# KiCad board LittleSixteen.kicad_pcb (continued)
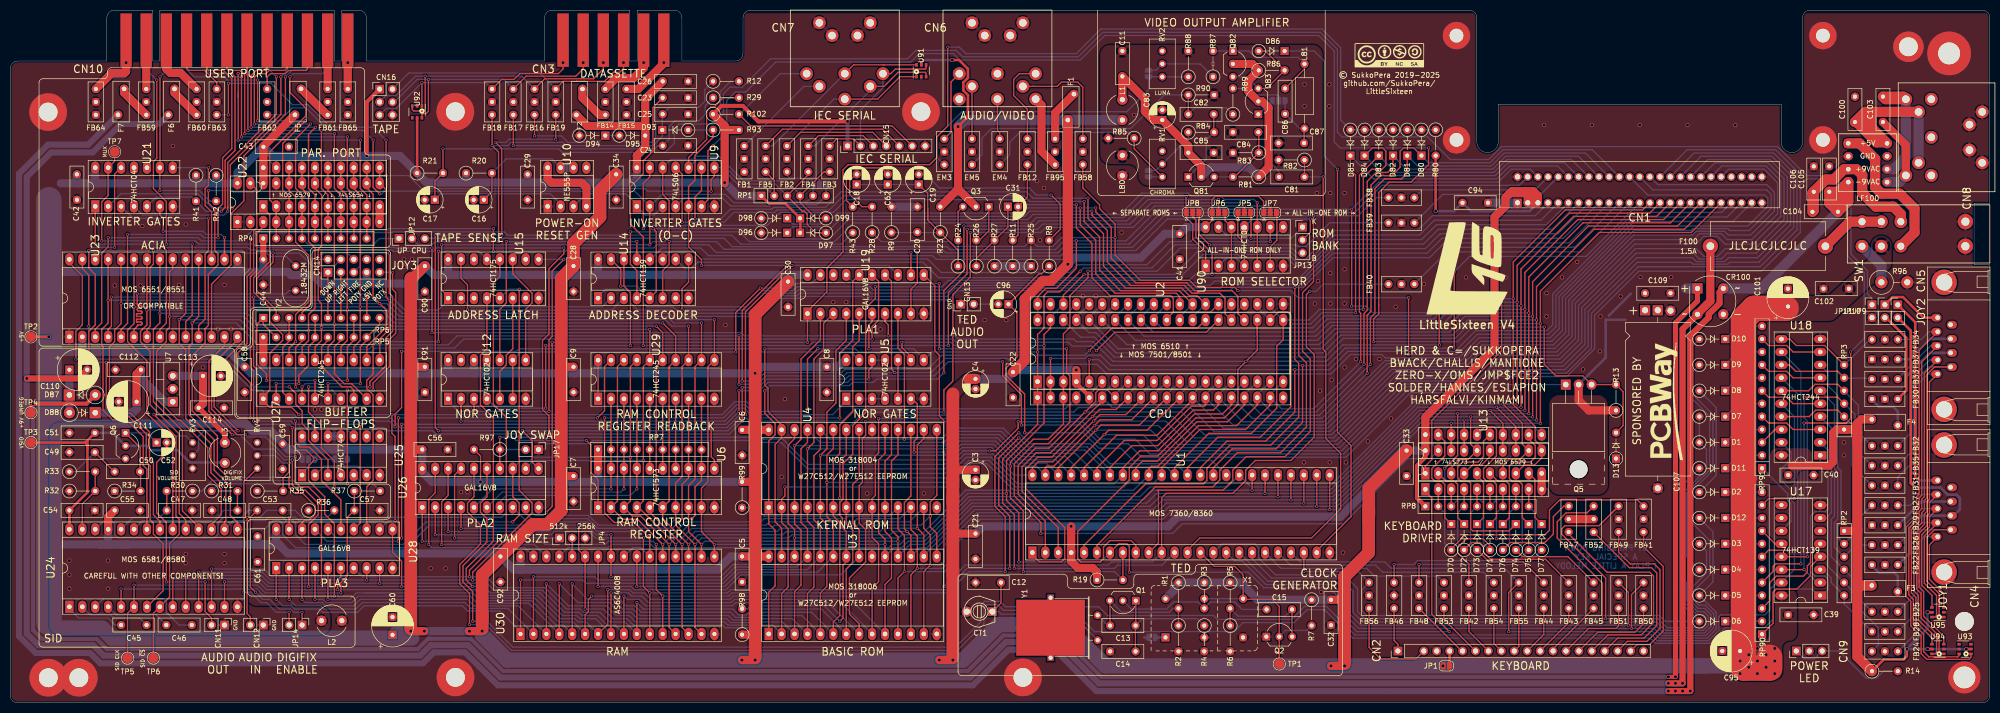
[diagram p0: board, top side]
## Placement (name value [footprint] x y rotation side) (continued)
U6  74HCT573  [DIP-20_W7.62mm_Socket_LongPads]  115.52 38.43 90 top
U7  L7812  [TO-220-3_Vertical]  31.95 59.21 90 top
U9  74LS06  [DIP-14_W7.62mm_Socket_LongPads]  123.14 97.62 90 top
U10  NE555P  [DIP-8_W7.62mm_Socket_LongPads]  105.61 97.62 90 top
U12  74HCT02  [DIP-14_W7.62mm_Socket_LongPads]  86.06 59.77 90 top
U13  MOS_6529  [DIP-20_W7.62mm_Socket_LongPads]  278.08 41.99 90 top
U14  74HCT139  [DIP-16_W7.62mm_Socket_LongPads]  115.52 79.58 90 top
U15  74HCT175  [DIP-16_W7.62mm_Socket_LongPads]  86.06 79.58 90 top
U17  74HCT139  [DIP-16_W7.62mm_Socket_LongPads#2]  355.68 21.11 180 top
U18  74HCT244  [DIP-20_W7.62mm_Socket_LongPads]  355.68 48.67 180 top
U19  GAL16V8  [DIP-20_W7.62mm_Socket_LongPads]  156.67 76.53 90 top
U20  74HCT273  [DIP-20_W7.62mm_Socket_LongPads]  278.08 45.12 90 top
U21  74HCT04  [DIP-14_W7.62mm_Socket_LongPads]  16.71 97.62 90 top
U22  MOS_6529  [DIP-20_W7.62mm_Socket_LongPads]  49.73 97.62 90 top
U23  MOS_6551_ACIA  [DIP-28_W15.24mm_Socket_LongPads]  11.63 71.96 90 top
U24  MOS_8580  [DIP-28_W15.24mm_Socket_LongPads]  11.63 18.88 90 top
U25  74HCT74  [DIP-14_W7.62mm_Socket_LongPads]  57.35 44.78 90 top
U26  GAL16V8  [DIP-20_W7.62mm_Socket_LongPads]  80.98 38.43 90 top
U27  74HCT245  [DIP-20_W7.62mm_Socket_LongPads]  49.73 59.77 90 top
U28  GAL16V8  [DIP-20_W7.62mm_Socket_LongPads]  52.27 26.5 90 top
U29  74HCT245  [DIP-20_W7.62mm_Socket_LongPads]  115.52 59.77 90 top
U30  AS6C4008  [DIP-32_W15.24mm_Socket_LongPads]  100.28 13.54 90 top
U90  74HCT08  [DIP-14_W7.62mm_Socket_LongPads]  234.9 85.93 90 top
U91  DT1042  [TSOP-6_1.65x3.05mm_P0.95mm]  179.03 124.29 90 top
U92  DT1042  [TSOP-6_1.65x3.05mm_P0.95mm]  79.96 116.2 270 top
U93  DT1042  [TSOP-6_1.65x3.05mm_P0.95mm]  384.12 10.57 0 top
U94  DT1042  [TSOP-6_1.65x3.05mm_P0.95mm]  378.79 10.58 180 top
U95  DT1042  [TSOP-6_1.65x3.05mm_P0.95mm]  378.79 17.81 180 top
U102  MOS_6510  [DIP-40_W15.24mm_Socket_LongPads]  201.88 63.15 90 top
U122  74LS654  [DIP-24_W7.62mm_Socket_LongPads]  44.65 94.55 90 top
V0  LOGO  [Logo]  286.84 85.63 0 top
V1  PCBWAY_LOGO  [pcbway]  324.56 59.35 90 top
V2  CC BY-NC-SA 4.0  [cc_by_nc_sa]  270.99 127.35 0 top
X1  OSC_DIP14  [Oscillator_DIP-8+14]  227.03 12.85 0 top
Y1  17.734475M  [Crystal_HC49-U_Horizontal_1EP_style2]  213.69 17.22 270 top
Y2  1.8432M  [Crystal_HC49-U_Vertical]  56.08 85.95 270 top

## Footprints (pads in the part's own frame, mm; a bottom-side part is the same pattern mirrored in y, then rotated)
50Pin_Edge_Connector
  rect 1.6x1.6 hole 1: 1(-6,-5.1)
  round 1.6 hole 1: 2(-4,-5.1) 3(-2,-5.1) 4(0,-5.1) 5(2,-5.1) 6(4,-5.1) 7(6,-5.1) 8(8,-5.1) 9(10,-5.1) 10(12,-5.1) 11(14,-5.1) 12(16,-5.1) 13(18,-5.1) 14(20,-5.1) 15(22,-5.1) 16(24,-5.1) 17(26,-5.1) 18(28,-5.1) 19(30,-5.1) 20(32,-5.1) 21(34,-5.1) 22(36,-5.1) 23(38,-5.1) 24(40,-5.1) 25(42,-5.1) A(-6,0) AA(38,0) B(-4,0) BB(40,0) C(-2,0) CC(42,0) D(0,0) E(2,0) F(4,0) H(6,0) J(8,0) K(10,0) L(12,0) M(14,0) N(16,0) P(18,0) R(20,0) S(22,0) T(24,0) U(26,0) V(28,0) W(30,0) X(32,0) Y(34,0) Z(36,0)
Axial_Cap_Dual
  rect 2x2 hole 1.2: 1(0,0) 1(0,-2.5)
  round 2 hole 1.2: 2(0.1,2.5) 2(35,0)
C64-Cassette-Port-Male
  rect 2.2x10.5 smd: 1(10.44,5.1) 2(6.48,5.1) 3(2.52,5.1) 4(-1.44,5.1) 5(-5.4,5.1) 6(-9.36,5.1)
  rect 2.2x10.5 smd far side: 1(10.44,5.1) 2(6.48,5.1) 3(2.52,5.1) 4(-1.44,5.1) 5(-5.4,5.1) 6(-9.36,5.1)
C64_PowerSwitch
  round 3 hole 1.6: 0(-2.415,-12.7) 0(2.415,-12.7)
  round 2.5 hole 1.4: 1(-2.415,0) 2(-2.415,3.81) 3(-2.415,7.62) 4(2.415,0) 5(2.415,3.81) 6(2.415,7.62)
C_Disc_D8.0mm_W2.5mm_P5.00mm
  round 1.6 hole 0.8: 1(0,0) 2(5,0)
CM4545Z131B-10
  rect 1.6x1.6 hole 0.9: 1(-3.81,3.81)
  oval 1.8x1.6 hole 0.9: 2(-3.81,1.27) 3(-3.81,-1.27) 4(-3.81,-3.81) 5(3.81,-3.81) 6(3.81,-1.27) 7(3.81,1.27) 8(3.81,3.81)
CP_Radial_D5.0mm_P2.00mm
  rect 1.6x1.6 hole 0.8: 1(0,0)
  round 1.6 hole 0.8: 2(2,0)
CP_Radial_D8.0mm_P3.50mm
  rect 1.6x1.6 hole 0.8: 1(0,0)
  round 1.6 hole 0.8: 2(3.5,0)
Crystal_HC49-U_Horizontal_1EP_style2
  round 1.5 hole 0.8: 1(0,0) 2(4.9,0)
  rect 1.2x1.2 hole 0.8: 3(-3.45,-9.25) 3(8.35,-9.25)
  rect 11x13.5 smd: 3(2.45,-9.25)
Crystal_HC49-U_Vertical
  round 1.5 hole 0.8: 1(0,0) 2(4.88,0)
D_DO-35_SOD27_P5.08mm_Vertical_KathodeUp
  rect 1.6x1.6 hole 0.8: 1(0,0)
  oval 1.6x1.6 hole 0.8: 2(5.08,0)
D_DO-35_SOD27_P5.08mm_Vertical_KathodeUp_Zener
  rect 1.6x1.6 hole 0.8: 1(5.08,0)
  round 1.6 hole 0.8: 2(0,0)
D_DO-41_SOD81_P5.08mm_Vertical_KathodeUp
  rect 2.2x2.2 hole 1.1: 1(0,0)
  oval 2.2x2.2 hole 1.1: 2(5.08,0)
DB_9M
  round 5.001 hole 3.2: 0(-12.494,7.112) 0(12.494,7.112)
  oval 1.501x1.999 hole 0.899: 1(-5.54,8.382) 2(-2.771,8.382) 3(0,8.382) 4(2.771,8.382) 5(5.54,8.382) 6(-4.155,5.842) 7(-1.384,5.842) 8(1.384,5.842) 9(4.155,5.842)
DIN-6_DS_6_102_OR_102B
  round 2.5 hole 1.5: 0(-5,7) 0(-2.5,4.5) 0(2.5,4.5) 0(5,7) 1(-7.5,-3) 2(-5,-5.5) 3(0,-3) 4(5,-5.5) 5(7.5,-3) 6(0,-8)
DIN-7_DS_7_102_OR_102B
  round 2.5 hole 1.5: 0(-5,7) 0(-2.5,4.5) 0(2.5,4.5) 0(5,7) 1(-7.5,-3) 2(0,-3) 3(7.5,-3) 4(-5,-5.5) 5(5,-5.5) 6(-7.5,-8) 7(7.5,-8)
DIN-8_DS_8_102_OR_102B
  round 2.5 hole 1.5: 0(-5,7) 0(-2.5,4.5) 0(2.5,4.5) 0(5,7) 1(-7.5,-3) 2(0,-3) 3(7.5,-3) 4(-5,-5.5) 5(5,-5.5) 6(0,-8) 7(-7.5,-8) 8(7.5,-8)
Diode_Bridge_Round_D9.8mm
  rect 2x2 hole 1: 1(0,0)
  oval 2x2 hole 1: 2(0,-5.08) 4(5.08,0)
  oval 2x2 hole 1 rot 45: 3(5.08,-5.08)
DIP-8_W7.62mm_Socket_LongPads
  rect 2.4x1.6 hole 0.9: 1(0,0)
  oval 2.4x1.6 hole 0.9: 2(0,-2.54) 3(0,-5.08) 4(0,-7.62) 5(7.62,-7.62) 6(7.62,-5.08) 7(7.62,-2.54) 8(7.62,0)
DIP-14_W7.62mm_Socket_LongPads
  rect 2.4x1.6 hole 0.9: 1(0,0)
  oval 2.4x1.6 hole 0.9: 2(0,-2.54) 3(0,-5.08) 4(0,-7.62) 5(0,-10.16) 6(0,-12.7) 7(0,-15.24) 8(7.62,-15.24) 9(7.62,-12.7) 10(7.62,-10.16) 11(7.62,-7.62) 12(7.62,-5.08) 13(7.62,-2.54) 14(7.62,0)
DIP-16_W7.62mm_Socket_LongPads
  rect 2.4x1.6 hole 0.9: 1(0,0)
  oval 2.4x1.6 hole 0.9: 2(0,-2.54) 3(0,-5.08) 4(0,-7.62) 5(0,-10.16) 6(0,-12.7) 7(0,-15.24) 8(0,-17.78) 9(7.62,-17.78) 10(7.62,-15.24) 11(7.62,-12.7) 12(7.62,-10.16) 13(7.62,-7.62) 14(7.62,-5.08) 15(7.62,-2.54) 16(7.62,0)
DIP-16_W7.62mm_Socket_LongPads#2
  rect 2.4x1.6 hole 0.8: 1(0,0)
  oval 2.4x1.6 hole 0.8: 2(0,-2.54) 3(0,-5.08) 4(0,-7.62) 5(0,-10.16) 6(0,-12.7) 7(0,-15.24) 8(0,-17.78) 9(7.62,-17.78) 10(7.62,-15.24) 11(7.62,-12.7) 12(7.62,-10.16) 13(7.62,-7.62) 14(7.62,-5.08) 15(7.62,-2.54) 16(7.62,0)
DIP-20_W7.62mm_Socket_LongPads
  rect 2.4x1.6 hole 0.9: 1(0,0)
  oval 2.4x1.6 hole 0.9: 2(0,-2.54) 3(0,-5.08) 4(0,-7.62) 5(0,-10.16) 6(0,-12.7) 7(0,-15.24) 8(0,-17.78) 9(0,-20.32) 10(0,-22.86) 11(7.62,-22.86) 12(7.62,-20.32) 13(7.62,-17.78) 14(7.62,-15.24) 15(7.62,-12.7) 16(7.62,-10.16) 17(7.62,-7.62) 18(7.62,-5.08) 19(7.62,-2.54) 20(7.62,0)
DIP-24_W7.62mm_Socket_LongPads
  rect 2.4x1.6 hole 0.8: 1(0,0)
  oval 2.4x1.6 hole 0.8: 2(0,-2.54) 3(0,-5.08) 4(0,-7.62) 5(0,-10.16) 6(0,-12.7) 7(0,-15.24) 8(0,-17.78) 9(0,-20.32) 10(0,-22.86) 11(0,-25.4) 12(0,-27.94) 13(7.62,-27.94) 14(7.62,-25.4) 15(7.62,-22.86) 16(7.62,-20.32) 17(7.62,-17.78) 18(7.62,-15.24) 19(7.62,-12.7) 20(7.62,-10.16) 21(7.62,-7.62) 22(7.62,-5.08) 23(7.62,-2.54) 24(7.62,0)
DIP-28_W15.24mm_Socket_LongPads
  rect 2.4x1.6 hole 0.9: 1(0,0)
  oval 2.4x1.6 hole 0.9: 2(0,-2.54) 3(0,-5.08) 4(0,-7.62) 5(0,-10.16) 6(0,-12.7) 7(0,-15.24) 8(0,-17.78) 9(0,-20.32) 10(0,-22.86) 11(0,-25.4) 12(0,-27.94) 13(0,-30.48) 14(0,-33.02) 15(15.24,-33.02) 16(15.24,-30.48) 17(15.24,-27.94) 18(15.24,-25.4) 19(15.24,-22.86) 20(15.24,-20.32) 21(15.24,-17.78) 22(15.24,-15.24) 23(15.24,-12.7) 24(15.24,-10.16) 25(15.24,-7.62) 26(15.24,-5.08) 27(15.24,-2.54) 28(15.24,0)
DIP-32_W15.24mm_Socket_LongPads
  rect 2.4x1.6 hole 0.8: 1(0,0)
  oval 2.4x1.6 hole 0.8: 2(0,-2.54) 3(0,-5.08) 4(0,-7.62) 5(0,-10.16) 6(0,-12.7) 7(0,-15.24) 8(0,-17.78) 9(0,-20.32) 10(0,-22.86) 11(0,-25.4) 12(0,-27.94) 13(0,-30.48) 14(0,-33.02) 15(0,-35.56) 16(0,-38.1) 17(15.24,-38.1) 18(15.24,-35.56) 19(15.24,-33.02) 20(15.24,-30.48) 21(15.24,-27.94) 22(15.24,-25.4) 23(15.24,-22.86) 24(15.24,-20.32) 25(15.24,-17.78) 26(15.24,-15.24) 27(15.24,-12.7) 28(15.24,-10.16) 29(15.24,-7.62) 30(15.24,-5.08) 31(15.24,-2.54) 32(15.24,0)
DIP-40_W15.24mm_Socket_LongPads
  rect 2.4x1.6 hole 0.9: 1(0,0)
  oval 2.4x1.6 hole 0.9: 2(0,-2.54) 3(0,-5.08) 4(0,-7.62) 5(0,-10.16) 6(0,-12.7) 7(0,-15.24) 8(0,-17.78) 9(0,-20.32) 10(0,-22.86) 11(0,-25.4) 12(0,-27.94) 13(0,-30.48) 14(0,-33.02) 15(0,-35.56) 16(0,-38.1) 17(0,-40.64) 18(0,-43.18) 19(0,-45.72) 20(0,-48.26) 21(15.24,-48.26) 22(15.24,-45.72) 23(15.24,-43.18) 24(15.24,-40.64) 25(15.24,-38.1) 26(15.24,-35.56) 27(15.24,-33.02) 28(15.24,-30.48) 29(15.24,-27.94) 30(15.24,-25.4) 31(15.24,-22.86) 32(15.24,-20.32) 33(15.24,-17.78) 34(15.24,-15.24) 35(15.24,-12.7) 36(15.24,-10.16) 37(15.24,-7.62) 38(15.24,-5.08) 39(15.24,-2.54) 40(15.24,0)
DIP-48_W15.24mm_Socket_LongPads
  rect 2.4x1.6 hole 0.9: 1(0,0)
  oval 2.4x1.6 hole 0.9: 2(0,-2.54) 3(0,-5.08) 4(0,-7.62) 5(0,-10.16) 6(0,-12.7) 7(0,-15.24) 8(0,-17.78) 9(0,-20.32) 10(0,-22.86) 11(0,-25.4) 12(0,-27.94) 13(0,-30.48) 14(0,-33.02) 15(0,-35.56) 16(0,-38.1) 17(0,-40.64) 18(0,-43.18) 19(0,-45.72) 20(0,-48.26) 21(0,-50.8) 22(0,-53.34) 23(0,-55.88) 24(0,-58.42) 25(15.24,-58.42) 26(15.24,-55.88) 27(15.24,-53.34) 28(15.24,-50.8) 29(15.24,-48.26) 30(15.24,-45.72) 31(15.24,-43.18) 32(15.24,-40.64) 33(15.24,-38.1) 34(15.24,-35.56) 35(15.24,-33.02) 36(15.24,-30.48) 37(15.24,-27.94) 38(15.24,-25.4) 39(15.24,-22.86) 40(15.24,-20.32) 41(15.24,-17.78) 42(15.24,-15.24) 43(15.24,-12.7) 44(15.24,-10.16) 45(15.24,-7.62) 46(15.24,-5.08) 47(15.24,-2.54) 48(15.24,0)
EMI_Filter
  round 1.6 hole 0.8: 1(0,0) 2(0,-5.08) 3(0,-2.54)
Fuse_Bourns
  round 1.7 hole 0.9: 1(0,0) 2(5.1,-1.2)
Fuseholder_Cylinder-5x20mm_Stelvio-Kontek_PTF78_Horizontal_Open
  round 3 hole 1.5: 1(0,0) 2(22.6,0)
L_Axial_L7.0mm_D3.3mm_P12.70mm_Horizontal_Fastron_MICC
  round 1.6 hole 0.8: 1(0,0)
  oval 1.6x1.6 hole 0.8: 2(12.7,0)
L_Radial_D6.0mm_P4.00mm
  round 2 hole 1: 1(0,0) 2(4,0)
MountingHole_2.7mm_Pad
  round 5.4 hole 2.7: 1(0,0)
MountingHole_3.7mm_Pad
  round 7.4 hole 3.7: 1(0,0)
MountingHole_3.7mm_Pad#2
  round 3.7 hole 3.7: 1(0,0)
MountingHole_3.7mm_Pad#3
  round 6 hole 3.7: 1(0,0)
MountingHole_4.3mm_M4_Pad
  round 6.3 hole 4.3: 1(0,0)
MountingHole_4.3mm_M4_Pad#2
  round 8.6 hole 4.3: 1(0,0)
Oscillator_DIP-8+14
  rect 1.6x1.6 hole 0.8: 1(0,0)
  round 1.6 hole 0.8: 7(7.62,0) 7(15.24,0) 8(7.62,7.62) 8(15.24,7.62) 14(0,7.62)
PinHeader_1x02_P2.54mm_Vertical
  rect 1.7x1.7 hole 1: 1(0,0)
  oval 1.7x1.7 hole 1: 2(0,-2.54)
PinHeader_1x02_P2.54mm_Vertical#2
  rect 1.7x1.7 hole 1: 1(0,0)
  oval 1.7x1.7 hole 1 rot 45: 2(0,-2.54)
PinHeader_1x03_P2.54mm_Vertical
  rect 1.7x1.7 hole 1: 1(0,0)
  oval 1.7x1.7 hole 1 rot 45: 2(0,-2.54)
  oval 1.7x1.7 hole 1: 3(0,-5.08)
PinHeader_1x03_P2.54mm_Vertical#2
  rect 1.7x1.7 hole 1: 1(0,0)
  oval 1.7x1.7 hole 1: 2(0,-2.54) 3(0,-5.08)
PinHeader_1x07_P2.54mm_Vertical
  rect 1.7x1.7 hole 1: 1(0,0)
  oval 1.7x1.7 hole 1: 2(0,-2.54) 3(0,-5.08) 4(0,-7.62) 5(0,-10.16) 6(0,-12.7) 7(0,-15.24)
PinHeader_1x20_P2.54mm_NoPin2
  rect 1.7x1.7 hole 1: 1(0,0)
  oval 1.7x1.7 hole 1: 3(0,-5.08) 5(0,-10.16) 6(0,-12.7) 7(0,-15.24) 8(0,-17.78) 9(0,-20.32) 10(0,-22.86) 11(0,-25.4) 12(0,-27.94) 13(0,-30.48) 14(0,-33.02) 15(0,-35.56) 16(0,-38.1) 17(0,-40.64) 18(0,-43.18) 19(0,-45.72) 20(0,-48.26)
  oval 1.7x1.7 hole 1 rot 45: 4(0,-7.62)
PinHeader_2x03_P2.54mm_Vertical
  rect 1.7x1.7 hole 1: 1(0,0)
  oval 1.7x1.7 hole 1: 2(2.54,0) 3(0,-2.54) 4(2.54,-2.54) 5(0,-5.08) 6(2.54,-5.08)
PinHeader_2x05_P2.54mm_Vertical
  rect 1.7x1.7 hole 1: 1(0,0)
  oval 1.7x1.7 hole 1: 2(2.54,0) 3(0,-2.54) 4(2.54,-2.54) 5(0,-5.08) 6(2.54,-5.08) 7(0,-7.62) 8(2.54,-7.62) 9(0,-10.16) 10(2.54,-10.16)
Plus4_UserPort
  rect 2.2x10.5 smd: 1(21.78,5.1) 2(17.82,5.1) 3(13.86,5.1) 4(9.9,5.1) 5(5.94,5.1) 6(1.98,5.1) 7(-1.98,5.1) 8(-5.94,5.1) 9(-9.9,5.1) 10(-13.86,5.1) 11(-17.82,5.1) 12(-21.78,5.1)
  rect 2.2x10.5 smd far side: A(21.78,5.1) B(17.82,5.1) C(13.86,5.1) D(9.9,5.1) E(5.94,5.1) F(1.98,5.1) H(-1.98,5.1) J(-5.94,5.1) K(-9.9,5.1) L(-13.86,5.1) M(-17.82,5.1) N(-21.78,5.1)
Potentiometer_Bourns_3296W_Vertical
  round 1.44 hole 0.8: 1(0,0) 2(-2.54,0) 3(-5.08,0)
R_Array_SIP6
  rect 1.6x1.6 hole 0.8: 1(0,0)
  oval 1.6x1.6 hole 0.8: 2(2.54,0) 3(5.08,0) 4(7.62,0) 5(10.16,0) 6(12.7,0)
R_Array_SIP9
  rect 1.6x1.6 hole 0.8: 1(0,0)
  oval 1.6x1.6 hole 0.8: 2(2.54,0) 3(5.08,0) 4(7.62,0) 5(10.16,0) 6(12.7,0) 7(15.24,0) 8(17.78,0) 9(20.32,0)
R_Array_SIP10
  rect 1.6x1.6 hole 0.8: 1(0,0)
  oval 1.6x1.6 hole 0.8: 2(2.54,0) 3(5.08,0) 4(7.62,0) 5(10.16,0) 6(12.7,0) 7(15.24,0) 8(17.78,0) 9(20.32,0) 10(22.86,0)
R_Array_SIP12
  rect 1.6x1.6 hole 0.8: 1(0,0)
  oval 1.6x1.6 hole 0.8: 2(2.54,0) 3(5.08,0) 4(7.62,0) 5(10.16,0) 6(12.7,0) 7(15.24,0) 8(17.78,0) 9(20.32,0) 10(22.86,0) 11(25.4,0) 12(27.94,0)
R_Axial_DIN0207_L6.3mm_D2.5mm_P5.08mm_Vertical
  round 1.6 hole 0.8: 1(0,0)
  oval 1.6x1.6 hole 0.8: 2(5.08,0)
R_Axial_DIN0207_L6.3mm_D2.5mm_P5.08mm_Vertical#2
  round 1.6 hole 0.8: 1(0,0)
  oval 1.6x1.6 hole 0.8 rot 45: 2(5.08,0)
R_Axial_DIN0414_L11.9mm_D4.5mm_P5.08mm_Vertical
  round 2.4 hole 1.2: 1(0,0)
  oval 2.4x2.4 hole 1.2: 2(5.08,0)
SolderJumper-2_P1.3mm_Open_RoundedPad1.0x1.5mm
  custom 1x1.5 smd: 1(-0.65,0) 2(0.65,0)
SolderJumper-3_P1.3mm_Open_RoundedPad1.0x1.5mm
  custom 1.05x1.5 smd: 1(-1.3,0) 3(1.3,0)
  rect 1x1.5 smd: 2(0,0)
TestPoint_Pad_D2.0mm
  round 2 smd: 1(0,0)
TO-92_Inline_Wide
  rect 1.5x1.5 hole 0.8: 1(0,0)
  round 1.5 hole 0.8: 2(2.54,0) 3(5.08,0)
TO-220-3_Horizontal_TabUp
  oval 3.5x3.5 hole 3.5 unplated: (2.54,-16.66)
  rect 1.905x2 hole 1.1: 1(0,0)
  oval 1.905x2 hole 1.1: 2(2.54,0) 3(5.08,0)
TO-220-3_Vertical
  rect 1.905x2 hole 1.1: 1(0,0)
  oval 1.905x2 hole 1.1: 2(2.54,0) 3(5.08,0)
TSOP-6_1.65x3.05mm_P0.95mm
  rect 0.7x0.51 smd: 1(-1.16,0.95) 2(-1.16,0) 3(-1.16,-0.95) 4(1.16,-0.95) 5(1.16,0) 6(1.16,0.95)
VariCap
  rect 1.7x1.7 hole 1.2: 1(0,0)
  round 2 hole 1.2: 2(5,0)

## Nets
+9V: C107.1 C109.1 CR100.1 D87.2 Q5.2 R13.1 TP4.1
+9VAC: C110.2 CR100.2 F6.1 F100.1
-9VAC: C104.2 C105.1 CR100.4 F7.1 LF100.4
AGND: C47.2 C48.2 C49.2 C51.1 C54.2 C55.2 CN11.1 CN12.1 L2.2 R32.1 R34.1 R35.1 R36.1 RV3.1 U24.14
GND: C3.2 C4.2 C5.2 C6.2 C7.2 C8.2 C9.1 C12.2 C14.2 C16.2 C17.2 C20.2 C21.2 C22.2 C23.1 C24.1 C25.1 C26.1 C28.2 C29.2 C30.2 C32.2 C33.2 C34.2 C39.2 C40.2 C41.2 C42.2 C43.2 C44.2 C56.2 C57.2 C58.2 C59.2 C60.2 C61.2 C90.2 C91.2 C92.2 C94.2 C95.2 C101.2 C102.2 C105.2 C106.2 C107.2 C109.2 C111.2 C112.2 C113.2 C114.2 CN1.1 CN1.25 CN1.A CN1.CC CN2.4 CN4.0 CN5.0 CN6.0 CN6.2 CN7.0 CN8.0 CN9.2 CN13.1 CN14.8 CN15.7 CN16.6 CR100.3 CT1.2 D13.1 D94.2 D96.2 D98.2 EM3.3 EM4.3 EM5.3 FB1.2 FB1.3 FB2.3 FB3.3 FB4.3 FB5.3 FB12.3 FB14.3 FB15.2 FB15.3 FB16.3 FB17.3 FB18.3 FB19.3 FB22.3 FB24.3 FB25.3 FB26.3 FB27.3 FB28.3 FB29.1 FB29.3 FB30.3 FB31.3 FB32.3 FB33.3 FB34.3 FB35.3 FB37.1 FB37.3 FB38.3 FB39.3 FB40.3 FB41.3 FB42.3 FB43.3 FB44.3 FB45.3 FB46.3 FB47.3 FB48.3 FB49.3 FB50.3 FB51.3 FB52.3 FB53.3 FB54.3 FB55.3 FB56.3 FB58.3 FB59.3 FB60.3 FB61.3 FB62.3 FB63.3 FB64.2 FB64.3 FB65.2 FB65.3 FB95.3 H1.1 H2.1 H3.1 H4.1 H6.1 H7.1 H9.1 H10.1 H11.1 H12.1 H13.1 H14.1 H15.1 H16.1 H17.1 JP2.1 JP4.3 JP11.2 JP17.1 L2.1 L80.1 LF100.2 Q2.1 R2.2 R4.2 R6.2 R9.2 R11.1 R25.1 R27.1 R96.2 SW1.0 U1.24 U2.20 U3.14 U3.20 U4.14 U4.20 U5.7 U6.10 U7.2 U9.7 U10.1 U12.7 U13.10 U14.8 U15.8 U17.8 U18.10 U19.10 U20.10 U21.7 U22.10 U23.1 U23.9 U25.7 U25.11 U25.12 U26.10 U27.10 U28.10 U29.10 U30.16 U90.7 U91.2 U92.2 U93.2 U94.2 U95.2 U102.21 U122.1 U122.2 U122.12 U122.21 X1.7 Y1.3
VCC: C3.1 C4.1 C5.1 C6.1 C7.1 C8.1 C9.2 C21.1 C22.1 C26.2 C28.1 C29.1 C30.1 C32.1 C33.1 C34.1 C39.1 C40.1 C41.1 C42.1 C43.1 C44.1 C55.1 C56.1 C58.1 C59.1 C60.1 C61.1 C90.1 C91.1 C92.1 C94.1 C95.1 C101.1 C102.1 CN1.2 CN1.3 CN14.7 CN15.1 CN16.1 D95.1 D97.1 D99.1 F1.1 F2.1 F3.1 F4.1 F5.1 JP1.1 JP6.1 JP7.1 JP15.1 JP16.1 L1.1 Q3.2 R1.1 R3.1 R5.1 R7.1 R12.2 R14.1 R19.1 R20.1 R21.1 R23.2 R41.1 R42.1 R80.2 R93.2 R97.2 R98.1 R99.2 R102.1 RP1.1 RP2.1 RP3.1 RP4.1 RP5.1 RP7.1 RP8.1 SW1.2 TP2.1 U1.4 U2.5 U3.28 U4.28 U5.14 U6.20 U9.14 U10.4 U10.8 U12.11 U12.12 U12.14 U13.20 U14.16 U15.16 U17.16 U18.20 U19.20 U20.20 U21.14 U22.20 U23.2 U23.15 U24.25 U25.14 U26.20 U27.20 U28.20 U29.1 U29.20 U30.32 U90.14 U91.5 U92.5 U93.5 U94.5 U95.5 U102.4 U102.6 U122.22 U122.24 X1.14
VDD: C11.1 C83.1 C85.1 L1.2 Q81.2 Q82.2 Q83.2 R81.1 R86.1
/Datassette & Serial Bus/iec_atn: CN7.3 CN15.5 FB5.1 U91.6
/Datassette & Serial Bus/iec_clk: CN7.4 CN15.3 FB4.1 U91.3
/Datassette & Serial Bus/iec_dat: CN7.5 CN15.2 FB3.1 U91.4
/Datassette & Serial Bus/iec_rst: CN7.6 CN15.4 FB2.1 U91.1
/Datassette & Serial Bus/iec_srq: CN7.1 CN15.6 R102.2
/Datassette & Serial Bus/tape_+5v: CN93.2 FB14.1
/Datassette & Serial Bus/tape_gnd: CN93.1 FB15.1
/Datassette & Serial Bus/tape_mtr: CN16.2 CN93.3 FB19.1
/Datassette & Serial Bus/tape_mtr2: FB19.2 Q5.1
/Datassette & Serial Bus/tape_read: CN16.3 CN93.4 FB16.1 U92.3
/Datassette & Serial Bus/tape_sense: CN16.5 CN93.6 FB18.1 U92.1
/Datassette & Serial Bus/tape_wr: CN16.4 CN93.5 FB17.1 U92.6
/Datassette & Serial Bus/tape_wr2: C24.2 FB17.2 R29.1
/Datassette & Serial Bus/~{p3}: D13.2 Q5.3 R13.2 U9.6
/Joysticks/1d: FB25.1 RP2.4 U18.4
/Joysticks/1f: FB28.1 RP2.6 U17.3
/Joysticks/1l: FB26.1 RP2.3 U18.6
/Joysticks/1r: FB27.1 RP2.2 U18.8
/Joysticks/1u: FB24.1 RP2.5 U18.2
/Joysticks/2d: FB32.1 RP3.4 U18.15
/Joysticks/2f: FB35.1 RP3.3 U17.13
/Joysticks/2l: FB33.1 RP3.5 U18.13
/Joysticks/2r: FB34.1 RP3.6 U18.11
/Joysticks/2u: FB31.1 RP3.2 U18.17
/Joysticks/b1d: RP90.11 U18.16
/Joysticks/b1l: RP90.7 U18.14
/Joysticks/b1r: RP90.5 U18.12
/Joysticks/b1u: RP91.3 U18.18
/Joysticks/b2d: RP91.7 U18.5
/Joysticks/b2l: RP91.9 U18.7
/Joysticks/b2r: RP91.11 U18.9
/Joysticks/b2u: RP91.5 U18.3
/Joysticks/f1d: CN4.2 FB25.2 U95.6
/Joysticks/f1f: CN4.6 FB28.2 U95.1
/Joysticks/f1l: CN4.3 FB26.2 U95.4
/Joysticks/f1r: CN4.4 FB27.2 U94.3
/Joysticks/f1u: CN4.1 FB24.2 U95.3
/Joysticks/f2d: CN5.2 FB32.2 U94.4
/Joysticks/f2f: CN5.6 FB35.2 U94.6
/Joysticks/f2l: CN5.3 FB33.2 U93.3
/Joysticks/f2r: CN5.4 FB34.2 U93.4
/Joysticks/f2u: CN5.1 FB31.2 U94.1
/PLA & Chip Selection/addr_clk: U12.2 U19.16
/PLA & Chip Selection/loop: U19.18
/PLA & Chip Selection/rom_switch: U12.6 U12.9 U19.19
/Power & Misc/in_+5v: C100.1 CN8.4 CN8.5 LF100.8
/Power & Misc/in_+9avc: C103.1 CN8.7 LF100.5
/Power & Misc/in_-9vac: C103.2 CN8.6 LF100.6
/Power & Misc/in_gnd: C100.2 CN8.1 CN8.2 CN8.3 LF100.7
/RAM/a16: U26.19 U30.31
/RAM/a17: U26.18 U30.30
/RAM/a18: JP4.2 U30.28
/RAM/a18_from_pla: JP4.1 U26.17
/RAM/sram_ce: U5.1 U30.22 U30.24
/RAM/~{cs_ramwr}: U5.13 U25.13
/RAM/~{u3enable}: U6.1 U25.9
/ROMs/rom_a14: JP7.2 U3.27 U4.27
/ROMs/rom_a15: JP6.2 U3.1 U4.1
/ROMs/singlerom_a14: JP7.3 U90.6
/ROMs/singlerom_a15: JP6.3 U90.3 U90.12
/ROMs/singlerom_ce: JP13.2 U90.11
/ROMs/singlerom_ce_bas: JP8.3 JP13.3
/ROMs/singlerom_ce_krn: JP5.3 JP13.1
/ROMs/~{ce_basic_rom}: JP8.2 R98.2 U3.22
/ROMs/~{ce_krn_rom}: JP5.2 R99.1 U4.22
/ROMs/~{cef}: U90.8 U90.13
/SID!/audio_in: C53.2 JP14.1 U24.26
/SID!/audio_out: R32.2 R33.2 U24.27
/SID!/down: CN14.2 RP6.4
/SID!/fire: CN14.6 RP6.9
/SID!/left: CN14.3 RP6.7
/SID!/potx: CN14.9 R30.1
/SID!/poty: CN14.5 R31.1
/SID!/right: CN14.4 RP6.2
/SID!/sidclk: C57.1 R37.1 TP5.1 U24.6
/SID!/up: CN14.1 RP6.6
/SID!/~{mux}: U21.12 U25.3
/TED/clock_in: Q2.2 R7.2 TP1.1 U1.14 X1.8
/User Port/cba: U28.15 U122.23
/User Port/dcd_ttl: CN10.H R41.2 U21.5
/User Port/dsr_ttl: CN10.L R42.2 U21.9
/User Port/dtr_ttl: CN10.E U21.4
/User Port/gab: U28.14 U122.3
/User Port/p0: CN10.B RP4.2 U22.2 U122.4
/User Port/p1: CN10.K RP4.3 U22.3 U122.5
/User Port/p3: CN10.5 RP4.5 U22.5 U122.7
/User Port/p4: CN10.6 RP4.6 U22.6 U122.8
/User Port/p5: CN10.7 RP4.7 U22.7 U122.9
/User Port/p6: CN10.J RP4.8 U22.8 U122.10
/User Port/p7: CN10.F RP4.9 U22.9 U122.11
/User Port/q+: U23.6 Y2.2
/User Port/q-: U23.7 Y2.1
/User Port/rts_ttl: CN10.D U21.2
/User Port/rxc_ttl: CN10.8 U23.5
/User Port/rxd_ttl: CN10.C U23.12
/User Port/txd_ttl: CN10.M U23.10
/User Port/~{dcd_ttl}: U21.6 U23.16
/User Port/~{dsr_ttl}: U21.8 U23.17
/User Port/~{dtr_ttl}: U21.3 U23.11
/User Port/~{rts_ttl}: U21.1 U23.8
a0: CN1.Y U1.3 U2.6 U3.10 U4.10 U15.4 U23.13 U24.9 U28.11 U30.7 U102.7
a1: CN1.X U1.2 U2.7 U3.9 U4.9 U15.13 U23.14 U24.10 U28.9 U30.8 U102.8
a2: CN1.W U1.1 U2.8 U3.8 U4.8 U15.5 U24.11 U28.8 U30.9 U102.9
a3: CN1.V U1.48 U2.9 U3.7 U4.7 U15.12 U24.12 U28.7 U30.10 U102.10
a4: CN1.U U1.47 U2.10 U3.6 U4.6 U19.5 U24.13 U28.6 U30.6 U102.11
a5: CN1.T U1.46 U2.11 U3.5 U4.5 U19.4 U28.5 U30.5 U102.12
a6: CN1.S U1.45 U2.12 U3.4 U4.4 U19.3 U28.4 U30.4 U102.13
a7: CN1.R U1.44 U2.13 U3.3 U4.3 U19.2 U28.3 U30.3 U102.14
a8: CN1.P U1.43 U2.14 U3.25 U4.25 U19.11 U28.2 U30.2 U102.15
a9: CN1.N U1.42 U2.15 U3.24 U4.24 U19.8 U28.1 U30.1 U102.16
a10: CN1.M D80.1 U1.41 U2.16 U3.21 U4.21 U30.26 U102.17
a11: CN1.L D81.1 U1.40 U2.17 U3.23 U4.23 U30.23 U102.18
a12: CN1.K D82.1 U1.39 U2.18 U3.2 U4.2 U26.4 U30.27 U102.19
a13: CN1.J D83.1 U1.38 U2.19 U3.26 U4.26 U26.3 U30.25 U102.20
a14: CN1.H D84.1 U1.37 U2.21 U26.2 U30.11 U102.22
a15: CN1.F D85.1 U1.36 U2.22 U26.1 U30.12 U102.23
A15_10_HIGH: D80.2 D81.2 D82.2 D83.2 D84.2 D85.2 R80.1 U19.1 U28.19
AEC: CN1.22 U1.35 U2.4 U26.11 U102.5
BA: CN1.13 U1.34 U2.2 U102.2
C1_HIGH: CN1.6 U14.10
C1_LOW: CN1.B U14.6
C2_HIGH: CN1.8 U14.9
C2_LOW: CN1.7 U14.7
COLOR: C81.2 R82.1 U1.13
COLOR_CV_PICKUP: C82.2 Q81.1 R84.2
COLOR_OUT: EM4.2 JP81.2 R85.1 RV1.3
COMP_OUT: C82.1 EM5.2 R89.1 R90.1
CS_RAMWR: U5.11 U5.12 U6.11 U28.16
d0: CN1.21 U1.25 U2.38 U3.11 U4.11 U6.2 U13.18 U20.18 U22.18 U23.18 U24.15 U27.18 U29.18 U30.21 U102.37 U122.20
d1: CN1.20 U1.26 U2.37 U3.12 U4.12 U6.3 U13.17 U20.17 U22.17 U23.19 U24.16 U26.13 U27.17 U29.17 U30.13 U102.36 U122.19
d2: CN1.19 U1.27 U2.36 U3.13 U4.13 U6.4 U13.16 U20.3 U22.16 U23.20 U24.17 U26.12 U27.16 U29.16 U30.20 U102.35 U122.18
d3: CN1.18 U1.28 U2.35 U3.15 U4.15 U6.5 U13.15 U20.4 U22.15 U23.21 U24.18 U27.15 U29.15 U30.14 U102.34 U122.17
d4: CN1.17 U1.29 U2.34 U3.16 U4.16 U6.6 U13.14 U20.14 U22.14 U23.22 U24.19 U27.14 U29.14 U30.19 U102.33 U122.16
d5: CN1.16 U1.30 U2.33 U3.17 U4.17 U6.7 U13.13 U20.13 U22.13 U23.23 U24.20 U27.13 U29.13 U30.15 U102.32 U122.15
d6: CN1.15 U1.31 U2.32 U3.18 U4.18 U6.8 U13.12 U20.7 U22.12 U23.24 U24.21 U27.12 U29.12 U30.18 U102.31 U122.14
d7: CN1.14 U1.32 U2.31 U3.19 U4.19 U6.9 U13.11 U20.8 U22.11 U23.25 U24.22 U27.11 U29.11 U30.17 U102.30 U122.13
EXT_AUDIO: CN1.23 FB58.2 R25.2 R28.1
k0: D1.2 D7.2 FB49.1 U1.15
k1: D2.2 D8.2 FB50.1 U1.16
k2: D3.2 D9.2 FB51.1 U1.17
k3: D4.2 D10.2 FB52.1 U1.18
k4: FB53.1 U1.19
k5: FB54.1 U1.20
k6: D5.2 D12.2 FB55.1 U1.21
k7: D6.2 D11.2 FB56.1 U1.22
KEYPORT_CS: U13.19 U19.17 U20.11
LUM_OUT: EM3.2 JP82.2 R88.1 RV2.3
LUMA_CV_PICKUP: JP18.2 R89.2
MUX: CN1.12 TP7.1 U1.9 U2.23 U19.7 U21.13
p0: U2.30 U9.13 U102.26
p1: U2.29 U9.11 U102.28
p2: U2.28 U9.9 U102.27
p3: D93.2 R93.1 U2.27 U9.5
p4: C23.2 D94.1 D95.2 FB16.2 U2.26 U102.25
p6: D96.1 D97.2 FB4.2 R29.2 RP1.3 U2.25 U9.10 U102.24
p7: D98.1 D99.2 FB3.2 JP12.3 RP1.4 U2.24 U9.12 U102.29
PHI0: FB39.1 U1.12 U2.1 U5.8 U19.6 U102.1
PHI2: CN1.24 U19.14 U23.27 U28.13
r0: RP7.2 U6.19 U26.5 U29.2
r1: RP7.3 U6.18 U26.6 U29.3
r2: RP7.4 U6.17 U26.7 U29.4
r3: RP7.5 U6.16 U29.5
r4: RP7.6 U6.15 U29.6
r5: RP7.7 U6.14 U29.7
r6: RP7.8 U6.13 U26.8 U29.8
r7: RP7.9 U6.12 U26.9 U29.9
R_~{W}: CN1.5 U1.7 U2.39 U5.9 U12.3 U13.1 U22.1 U23.28 U24.7 U27.1 U28.12 U30.29 U102.38
SERIAL_RESET: U9.1 U9.3 U10.3
SID_AUDIO: R43.1 RV3.2
SND: C96.1 R8.1 U1.33
SYNC_LUM: D86.1 U1.23
VGND: C11.2 C83.2 C84.1 C85.2 C87.1 L80.2 R82.2 R83.2 R85.2 R88.2 R90.2
VSID: C51.2 C54.1 L3.2 Q6.2 TP3.1 U24.28
~{ACIA}: U19.12 U23.3
~{ATTN}: FB5.2 FB63.2 RP1.2 U9.8
~{BASIC_CS1}: JP8.1 U14.4 U90.1
~{CASSETTE}: U22.19 U28.18
~{CAS}: FB40.1 U1.11 U5.6
~{CS0}: CN1.10 U1.5 U14.1
~{CS1}: CN1.9 U1.6 U14.15
~{CS_RAMRD}: U28.17 U29.19
~{FUNCHI_CS}: U14.11 U90.9
~{FUNCLO_CS}: U14.5 U90.5 U90.10
~{IRQ}: CN1.4 R19.2 U1.8 U2.3 U23.26 U102.3
~{JOY1}: U17.1 U18.1 U26.16
~{JOY2}: U17.15 U18.19 U26.15
~{JOY3}: U19.15 U27.19
~{JOYSWAP}: JP17.2 R97.1 U17.2 U17.14 U26.14
~{KERNAL_CS1}: JP5.1 U14.12 U90.2 U90.4
~{RAS}: FB38.1 U1.10 U19.9
~{RESET}: CN1.C FB62.2 JP3.1 JP15.3 JP16.3 RP1.5 U2.40 U9.2 U15.1 U20.1 U23.4 U24.5 U25.10 U102.40
~{SID}: TP6.1 U19.13 U24.8
~{TAPE_SENSE_USERPORT}: CN10.4 JP12.1 RP4.4 U22.4 U122.6
Net-(C12-Pad1): C12.1 CT1.1 Y1.2
Net-(C13-Pad1): C13.1 Q1.3 R1.2 R2.1 Y1.1
Net-(C13-Pad2): C13.2 C14.1 Q1.1 R4.1
Net-(C15-Pad1): C15.1 Q2.3 R5.2 R6.1
Net-(C15-Pad2): C15.2 Q1.2 R3.2
Net-(C16-Pad1): C16.1 R20.2 U10.6 U10.7
Net-(C17-Pad1): C17.1 JP11.1 R21.2 U10.2
Net-(C18-Pad1): C18.1 C19.1 C20.1 C62.1 R9.1 R23.1 R24.1
Net-(C18-Pad2): C18.2 R28.2
Net-(C19-Pad2): C19.2 R8.2
Net-(C25-Pad2): C25.2 D93.1 FB18.2 JP12.2 R12.1
Net-(C31-Pad1): C31.1 R26.1 R27.2
Net-(C31-Pad2): C31.2 FB12.2 R11.2
Net-(C45-Pad1): C45.1 U24.1
Net-(C45-Pad2): C45.2 U24.2
Net-(C46-Pad1): C46.1 U24.3
Net-(C46-Pad2): C46.2 U24.4
Net-(C47-Pad1): C47.1 R30.2 U24.24
Net-(C48-Pad1): C48.1 R31.2 U24.23
Net-(C49-Pad1): C49.1 C50.2 Q6.3 R33.1
Net-(C50-Pad1): C50.1 C52.1 Q6.1 R34.2 RV3.3
Net-(C52-Pad2): C52.2 CN11.2
Net-(C53-Pad1): C53.1 CN12.2 R36.2
Net-(C62-Pad2): C62.2 R43.2
Net-(C81-Pad1): C81.1 C84.2 Q81.3 R81.2 R83.1
Net-(C86-Pad1): C86.1 C87.2 JP18.1 L81.2
Net-(C86-Pad2): C86.2 L81.1 Q82.1 R87.2
Net-(C96-Pad2): C96.2 CN13.2
Net-(C104-Pad1): C104.1 C106.1 LF100.3 SW1.4
Net-(C110-Pad1): C110.1 D87.1 D88.2
Net-(C111-Pad1): C111.1 C112.1 D88.1 U7.1
Net-(C113-Pad1): C113.1 C114.1 L3.1 U7.3
Net-(CN1-Pad11): CN1.11 FB40.2
Net-(CN1-PadAA): CN1.AA
Net-(CN1-PadBB): CN1.BB
Net-(CN1-PadD): CN1.D FB38.2
Net-(CN1-PadE): CN1.E FB39.2
Net-(CN1-PadZ): CN1.Z
Net-(CN2-Pad1): CN2.1 FB46.2
Net-(CN2-Pad3): CN2.3 FB56.2
Net-(CN2-Pad5): CN2.5 JP1.2
Net-(CN2-Pad6): CN2.6 FB48.2
Net-(CN2-Pad7): CN2.7 FB53.2
Net-(CN2-Pad8): CN2.8 FB42.2
Net-(CN2-Pad9): CN2.9 FB54.2
Net-(CN2-Pad10): CN2.10 FB55.2
Net-(CN2-Pad11): CN2.11 FB44.2
Net-(CN2-Pad12): CN2.12 FB43.2
Net-(CN2-Pad13): CN2.13 FB45.2
Net-(CN2-Pad14): CN2.14 FB51.2
Net-(CN2-Pad15): CN2.15 FB50.2
Net-(CN2-Pad16): CN2.16 FB47.2
Net-(CN2-Pad17): CN2.17 FB52.2
Net-(CN2-Pad18): CN2.18 FB49.2
Net-(CN2-Pad19): CN2.19 FB41.2
Net-(CN2-Pad20): CN2.20
Net-(CN4-Pad5): CN4.5 JP9.1
Net-(CN4-Pad7): CN4.7 FB22.2 JP9.2
Net-(CN4-Pad8): CN4.8 FB29.2
Net-(CN4-Pad9): CN4.9
Net-(CN5-Pad5): CN5.5 JP10.1
Net-(CN5-Pad7): CN5.7 FB30.2 JP10.2
Net-(CN5-Pad8): CN5.8 FB37.2
Net-(CN5-Pad9): CN5.9
Net-(CN6-Pad1): CN6.1 EM3.1
Net-(CN6-Pad3): CN6.3 FB12.1
Net-(CN6-Pad4): CN6.4 EM5.1
Net-(CN6-Pad5): CN6.5 FB58.1
Net-(CN6-Pad6): CN6.6 EM4.1
Net-(CN6-Pad7): CN6.7
Net-(CN6-Pad8): CN6.8 FB95.2
Net-(CN7-Pad2): CN7.2 FB1.1
Net-(CN9-Pad1): CN9.1 CN9.3 R14.2
Net-(CN10-Pad1): CN10.1 CN10.A FB65.1
Net-(CN10-Pad2): CN10.2 FB61.1
Net-(CN10-Pad3): CN10.3 FB62.1
Net-(CN10-Pad9): CN10.9 FB63.1
Net-(CN10-Pad10): CN10.10 FB60.1
Net-(CN10-Pad11): CN10.11 FB59.1
Net-(CN10-Pad12): CN10.12 CN10.N FB64.1
Net-(CN14-Pad10): CN14.10
Net-(D1-Pad1): D1.1 RP91.4
Net-(D2-Pad1): D2.1 RP90.12
Net-(D3-Pad1): D3.1 RP90.8
Net-(D4-Pad1): D4.1 RP90.6
Net-(D5-Pad1): D5.1 RP90.4
Net-(D6-Pad1): D6.1 RP90.2
Net-(D7-Pad1): D7.1 RP91.6
Net-(D8-Pad1): D8.1 RP91.8
Net-(D9-Pad1): D9.1 RP91.10
Net-(D10-Pad1): D10.1 RP91.12
Net-(D11-Pad1): D11.1 RP91.2
Net-(D12-Pad1): D12.1 RP90.10
Net-(D70-Pad1): D70.1 U20.19
Net-(D70-Pad2): D70.2 FB41.1 RP8.2 U13.2
Net-(D71-Pad1): D71.1 U20.16
Net-(D71-Pad2): D71.2 FB42.1 RP8.3 U13.3
Net-(D72-Pad1): D72.1 U20.2
Net-(D72-Pad2): D72.2 FB43.1 RP8.4 U13.4
Net-(D73-Pad1): D73.1 U20.5
Net-(D73-Pad2): D73.2 FB44.1 RP8.5 U13.5
Net-(D74-Pad1): D74.1 U20.15
Net-(D74-Pad2): D74.2 FB45.1 RP8.6 U13.6
Net-(D75-Pad1): D75.1 U20.12
Net-(D75-Pad2): D75.2 FB46.1 RP8.7 U13.7
Net-(D76-Pad1): D76.1 U20.6
Net-(D76-Pad2): D76.2 FB47.1 RP8.8 U13.8
Net-(D77-Pad1): D77.1 U20.9
Net-(D77-Pad2): D77.2 FB48.1 RP8.9 U13.9
Net-(D86-Pad2): D86.2 Q82.3 Q83.3 R86.2
Net-(F1-Pad2): F1.2 FB95.1
Net-(F2-Pad2): F2.2 FB14.2
Net-(F3-Pad2): F3.2 FB22.1
Net-(F4-Pad2): F4.2 FB30.1
Net-(F5-Pad2): F5.2 FB61.2
Net-(F6-Pad2): F6.2 FB60.2
Net-(F7-Pad2): F7.2 FB59.2
Net-(F100-Pad2): F100.2 SW1.5 SW1.6
Net-(FB2-Pad2): FB2.2 JP3.2
Net-(JP2-Pad2): JP2.2 X1.1
Net-(JP3-Pad3): JP3.3 RP1.6 U9.4
Net-(JP14-Pad2): JP14.2 RV4.1
Net-(JP15-Pad2): JP15.2 U25.4
Net-(JP16-Pad2): JP16.2 U25.1
Net-(JP18-Pad3): JP18.3 Q83.1
Net-(JP81-Pad1): JP81.1 R84.1 RV1.2
Net-(JP82-Pad1): JP82.1 R87.1 RV2.2
Net-(LF100-Pad1): LF100.1 SW1.1
Net-(M1-Pad2): Q3.1 R26.2
Net-(Q3-Pad3): Q3.3 R24.2
